# KiCad board FD.02-01-2021.kicad_pcb (continued)
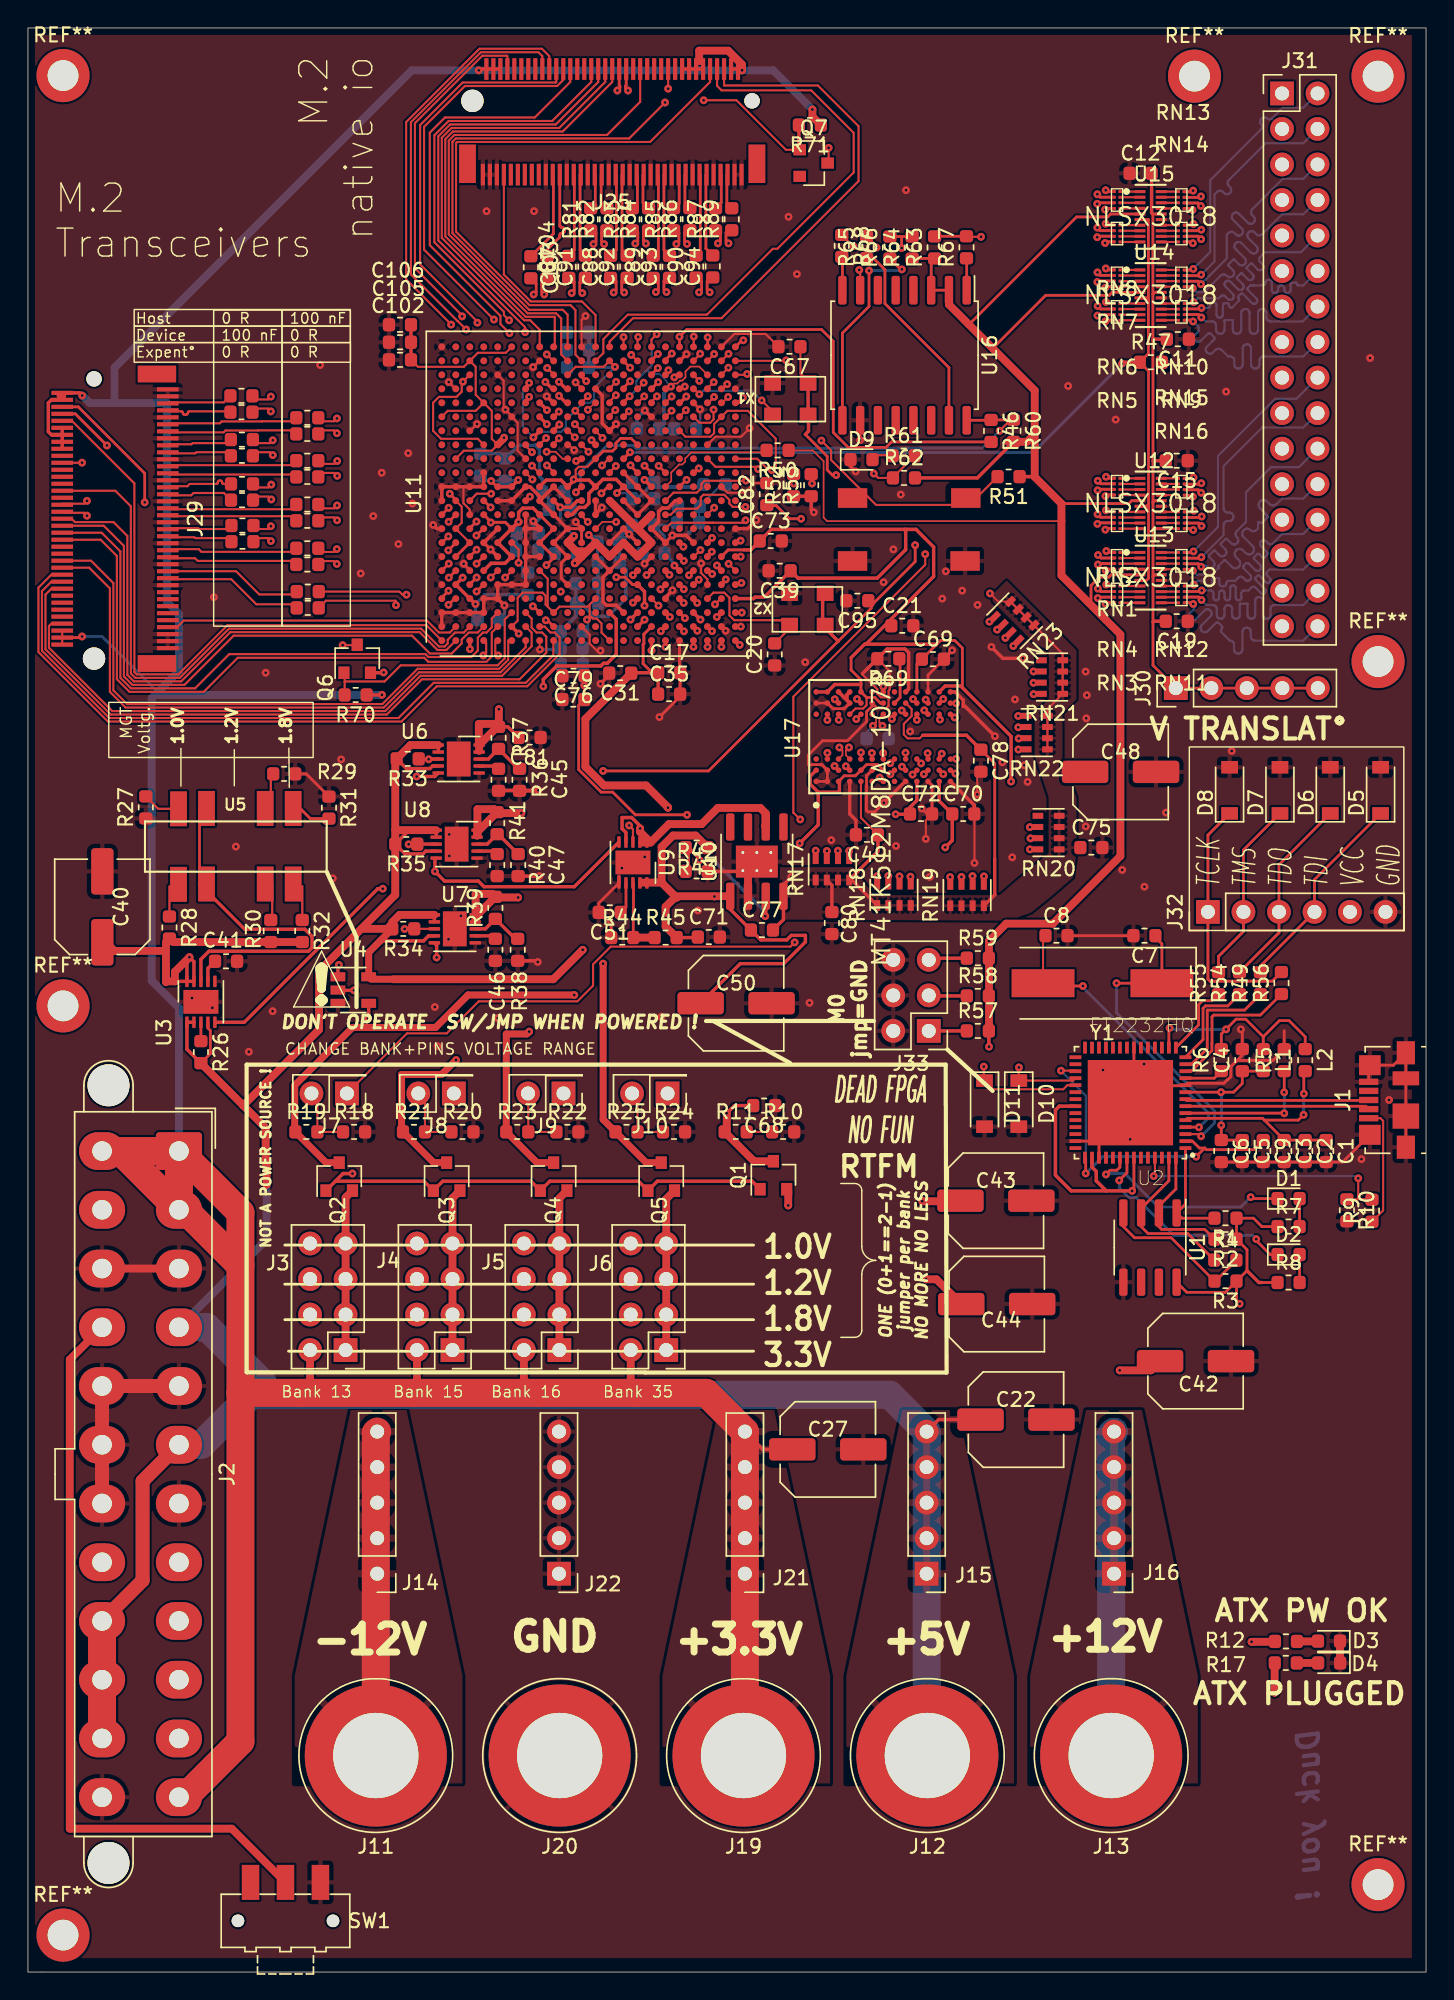
[diagram p0: board, top side]
## Routing (per net, layer and track width the routed paths; a pad name or vN(x,y) marks a point on that pad's centre or on a via; arc(x,y) is an arc through that point) (continued)
Net-(RN2-Pad1): length 1.4
  Top w0.15: U12.4 78.1,105.6
Net-(RN2-Pad2): length 1.4
  Top w0.15: 78.1,106 U12.3
Net-(RN2-Pad3): length 1.4
  Top w0.15: U12.2 78.1,106.4
Net-(RN2-Pad4): length 1.5
  Top w0.15: 78.1,106.8 79.59,106.8
Net-(RN3-Pad1): length 1.4
  Top w0.15: 78.1,97.9 U13.10
Net-(RN3-Pad2): length 1.4
  Top w0.15: U13.9 78.1,98.3
Net-(RN3-Pad3): length 1.4
  Top w0.15: 78.1,98.7 U13.8
Net-(RN3-Pad4): length 1.4
  Top w0.15: U13.7 78.1,99.1
Net-(RN4-Pad1): length 1.4
  Top w0.15: 78.1,100.3 U13.4
Net-(RN4-Pad2): length 1.4
  Top w0.15: 78.1,100.7 U13.3
Net-(RN4-Pad3): length 1.4
  Top w0.15: 78.1,101.1 U13.2
Net-(RN4-Pad4): length 1.5
  Top w0.15: 78.1,101.5 79.59,101.5
Net-(RN5-Pad1): length 1.4
  Top w0.15: 78.1,118.1 U14.10
Net-(RN5-Pad2): length 1.4
  Top w0.15: 78.1,118.5 U14.9
Net-(RN5-Pad3): length 1.4
  Top w0.15: 78.1,118.9 U14.8
Net-(RN5-Pad4): length 1.4
  Top w0.15: 78.1,119.3 U14.7
Net-(RN6-Pad1): length 1.4
  Top w0.15: 78.1,120.5 U14.4
Net-(RN6-Pad2): length 1.4
  Top w0.15: 78.1,120.9 U14.3
Net-(RN6-Pad3): length 1.4
  Top w0.15: 78.1,121.3 U14.2
Net-(RN6-Pad4): length 1.5
  Top w0.15: 79.59,121.7 78.1,121.7
Net-(RN7-Pad1): length 1.4
  Top w0.15: 78.1,123.7 U15.10
Net-(RN7-Pad2): length 1.4
  Top w0.15: U15.9 78.1,124.1
Net-(RN7-Pad3): length 1.4
  Top w0.15: 78.1,124.5 U15.8
Net-(RN7-Pad4): length 1.4
  Top w0.15: U15.7 78.1,124.9
Net-(RN8-Pad1): length 1.4
  Top w0.15: U15.4 78.1,126.1
Net-(RN8-Pad2): length 1.4
  Top w0.15: 78.1,126.5 U15.3
Net-(RN8-Pad3): length 1.4
  Top w0.15: U15.2 78.1,126.9
Net-(RN8-Pad4): length 1.5
  Top w0.15: 78.1,127.3 79.59,127.3
Net-(RN9-Pad5): length 1.2
  Top w0.15: 82.3,119.3 U14.14
Net-(RN9-Pad6): length 1.2
  Top w0.15: 82.3,118.9 U14.13
Net-(RN9-Pad7): length 1.2
  Top w0.15: 82.3,118.5 U14.12
Net-(RN9-Pad8): length 1.2
  Top w0.15: 82.3,118.1 U14.11
Net-(RN10-Pad5): length 1.2
  Top w0.15: 82.3,121.7 U14.20
Net-(RN10-Pad6): length 1.2
  Top w0.15: 82.3,121.3 U14.19
Net-(RN10-Pad7): length 1.2
  Top w0.15: 82.3,120.9 U14.18
Net-(RN10-Pad8): length 1.2
  Top w0.15: 82.3,120.5 U14.17
Net-(RN11-Pad5): length 1.2
  Top w0.15: 82.3,99.1 U13.14
Net-(RN11-Pad6): length 1.2
  Top w0.15: 82.3,98.7 U13.13
Net-(RN11-Pad7): length 1.2
  Top w0.15: 82.3,98.3 U13.12
Net-(RN11-Pad8): length 1.2
  Top w0.15: 82.3,97.9 U13.11
Net-(RN12-Pad5): length 1.2
  Top w0.15: 82.3,101.5 U13.20
Net-(RN12-Pad6): length 1.2
  Top w0.15: 82.3,101.1 U13.19
Net-(RN12-Pad7): length 1.2
  Top w0.15: 82.3,100.7 U13.18
Net-(RN12-Pad8): length 1.2
  Top w0.15: 82.3,100.3 U13.17
Net-(RN13-Pad1): length 1.2
  Top w0.15: U15.20 82.3,127.3
Net-(RN13-Pad2): length 1.2
  Top w0.15: 82.3,126.9 U15.19
Net-(RN13-Pad3): length 1.2
  Top w0.15: 82.3,126.5 U15.18
Net-(RN13-Pad4): length 1.2
  Top w0.15: 82.3,126.1 U15.17
Net-(RN14-Pad1): length 1.2
  Top w0.15: 82.3,124.9 U15.14
Net-(RN14-Pad2): length 1.2
  Top w0.15: 82.3,124.5 U15.13
Net-(RN14-Pad3): length 1.2
  Top w0.15: 82.3,124.1 U15.12
Net-(RN14-Pad4): length 1.2
  Top w0.15: 82.3,123.7 U15.11
Net-(RN15-Pad1): length 1.2
  Top w0.15: 82.3,106.8 U12.20
Net-(RN15-Pad2): length 1.2
  Top w0.15: 82.3,106.4 U12.19
Net-(RN15-Pad3): length 1
  Top w0.15: 82.3,106 81.33,106
Net-(RN15-Pad4): length 1.2
  Top w0.15: 82.3,105.6 U12.17
Net-(RN16-Pad1): length 1.2
  Top w0.15: 82.3,104.4 U12.14
Net-(RN16-Pad2): length 1.2
  Top w0.15: 82.3,104 U12.13
Net-(RN16-Pad3): length 1.2
  Top w0.15: 82.3,103.6 U12.12
Net-(RN16-Pad4): length 1.2
  Top w0.15: 82.3,103.2 U12.11
Net-(U1-Pad6): length 0
  Top w0.56: 79.6,49.3 U1.6
Net-(U3-Pad8): length 25.7
  Top w0.2: 12.27,83.19 12.27,77.8
  Top w0.244: U3.8 12.37,72.41 12.95,72.99 20.06,72.99 20.32,73.24 20.32,74.05 19.81,74.56 15.5,74.56 12.27,77.8

## Copper pours and planes (outline as drawn; the poured copper is in the pictures)
+3.3V on Top, B.Cu_GND_DDR, In1.CuGND_DDR, In2.Cu_SigDDR, In3.Cu_GND_DDR, In4.Cu_SigDDR: 57.38,21.18 57.38,13.48 45.38,13.48 45.38,21.18 49.38,40.18 53.38,40.18
+5V on Top, B.Cu_GND_DDR, In1.CuGND_DDR, In2.Cu_SigDDR, In3.Cu_GND_DDR, In4.Cu_SigDDR: 70.53,21.18 70.53,13.48 58.53,13.48 58.53,21.18 62.53,40.18 66.53,40.18
+12V on Top, B.Cu_GND_DDR, In1.CuGND_DDR, In2.Cu_SigDDR, In3.Cu_GND_DDR, In4.Cu_SigDDR: 83.68,21.18 83.68,13.48 71.68,13.48 71.68,21.18 75.68,40.18 79.68,40.18
-12V on Top, B.Cu_GND_DDR, In1.CuGND_DDR, In2.Cu_SigDDR, In3.Cu_GND_DDR, In4.Cu_SigDDR: 31.08,21.18 31.08,13.48 19.08,13.48 19.08,21.18 23.08,40.18 27.08,40.18
GND on Top, B.Cu_GND_DDR, In1.CuGND_DDR, In2.Cu_SigDDR, In3.Cu_GND_DDR, In4.Cu_SigDDR: 98.99,1 0.5,1 0.5,138.5 98.99,138.5
VCCDDR_1.35V_VREF on Top: 75,94.5 75,91 74,90 74,86.5 75,84 75,80 74.75,78.25 73,76.75 71.75,75.75 70.1,75.17 54,75.25 53.5,79 59,79 60.5,77 69.5,77 73,80 73,84 72,87 72,90 73,91 73,94.5 72,95 69,98 69,98.5 70,99.5

## Text on the board
B.Cu_GND_DDR: Duck you !
B.SilkS: I am a  little Duck / Do you feel warm and fuzzy inside ?
F.SilkS: NOT A POWER SOURCE ! | Host / Device / Expent° | 0 R / 100 nF / 0 R | 100 nF / 0 R / 0 R | Bank 13 | Bank 15 | CHANGE BANK+PINS VOLTAGE RANGE | Bank 16 | Bank 35 | MGT / Voltg. | 1.0V / 1.2V / 1.8V | ONE (0+1==2-1) / jumper per bank / NO MORE NO LESS | DEAD FPGA / NO FUN | DON'T OPERATE  SW/JMP WHEN POWERED ! | M0 / jmp=GND | TCLK / TMS / TDO / TDI / VCC / GND | RTFM | V TRANSLAT° | ATX PLUGGED | ATX PW OK | 1.0V / 1.2V / 1.8V / 3.3V | M.2 / Transceivers | M.2 / native io | -12V | GND | +3.3V | +5V | +12V | !
In3.Cu_GND_DDR: Encore une victoire de canard !
